# Altium PCB PCB1_done2.PcbDoc (part 2 of 3)
Units mil, origin at the board's own origin, x right, y up, seen from the top; angles counter-clockwise.
Board outline 3550 x 3775.2 mil, 8 copper layers (Top Layer, Top Signal Layer, Vbat-chrg, Internal Plane 1, GND-nBat, Internal Plane 2, Bottom Signal Layer, Bottom Layer), stack 71.302 mil thick; 235 components, 254 nets, 1011 pads, 192 vias.
Unrouted connection lines stored in the file: 5.
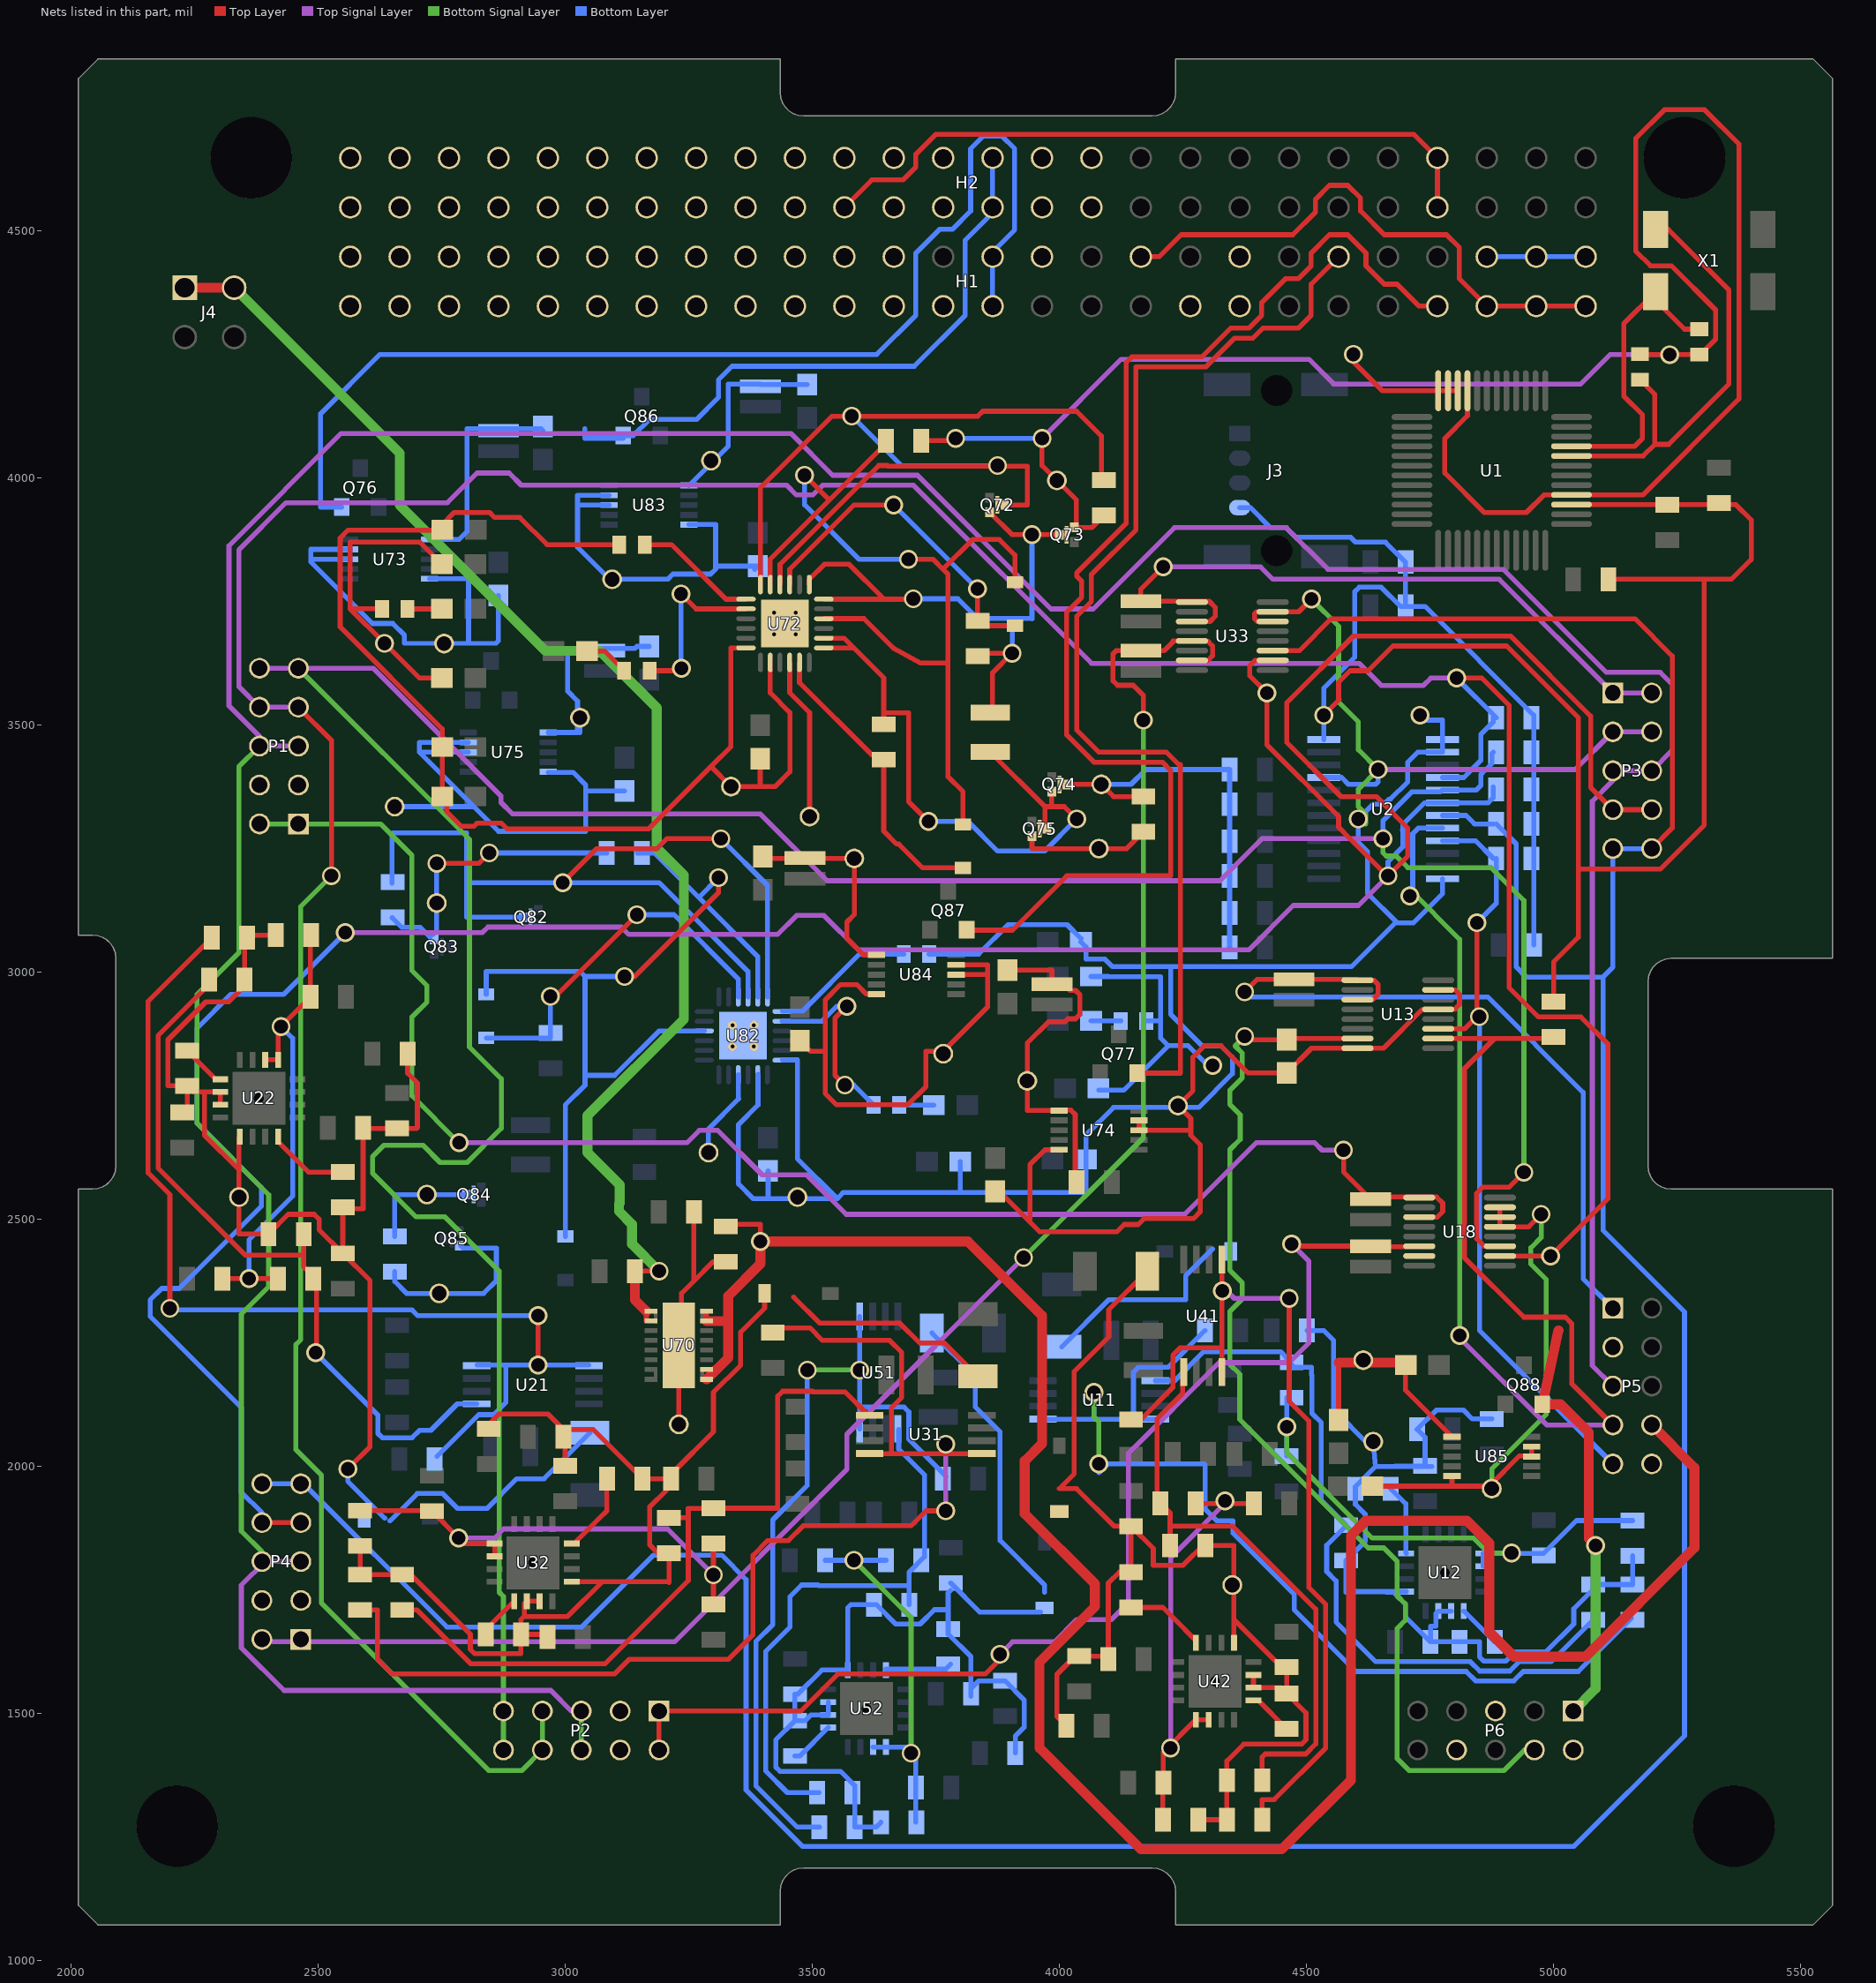
[diagram p8: the nets of this part, all layers, seen from the top]

## Via types
v1: diameter 38, hole 28, Top Layer to Bottom Layer, 183 vias
v2: diameter 17.87, hole 7.87, Top Layer to Bottom Layer, 8 vias
v3: diameter 38, hole 28, Top Layer to Bottom Layer, tented bottom, 1 vias

## Nets (pads, with @x,y where several pads share a name; then routed paths per layer and width w, separated by ;. In a path a pad name is that pad's centre, name@x,y a point inside that pad or via, vN(x,y) a via of type N, cw(c..) or ccw(c..) an arc to the next point about the centre after c; other vN are vias at no path point)
1V: H1.34 H1.47 H1.49 H1.51 | length 1128.4
  Top Layer w10: H1.34@4165,4447.6 4202.03,4447.6 4246.56,4492.13 4472.5,4492.13 4518.27,4537.9 4518.27,4563.84 4546.56,4592.13 4583.44,4592.13 4609.53,4566.04 4609.53,4540.1 4657.5,4492.13 4783.44,4492.13 4809.53,4466.04 4809.53,4403.07 H1.47@4865,4347.6 H1.49@4965,4347.6 H1.51@5065,4347.6
3V3: C73.1 C79.1 H1.48 H1.50 H1.52 J3.4 pad.1@3935,2780 pad.2@4085,3380 pad.3@3494.53,3315 pad.4@3030,3515 Q74.3 Q74.4 R18.2 R72.2 R74.2 R100.2 R101.2 R102.1 R103.1 R112.1 R113.1 R122.1 R123.1 R132.1 R133.1 R142.1 R143.1 R152.1 R153.1 R162.1 R163.1 R172.1 R173.1 R710.2 R711.2 R713.2 R714.2 R716.2 R717.2 U1.10 U1.11 U1.12 U1.39 U2.24 U72.10 U73.1 U74.1 U75.1 | length 8571.3
  Top Layer w10: C73.1@2628.94,3735.47 2564.53,3735.47 ; R74.2@2750.53,3595.47 2704.53,3595.47 v1(2634.53,3665.47) 2564.53,3735.47 ; R72.2@2750.53,3825.47 2706,3870 2564.53,3870 2564.53,3735.47 ; U72.10@3454.37,3626.73 3454.37,3565.63 3494.53,3525.47 pad.3@3494.53,3315 ; R714.2@3895,3004 3985,3004 3985,2973.54 4011.21,2973.54 4021.64,2963.11 4032.55,2963.11 4041.34,2954.32 4041.34,2914.34 4032.55,2905.55 4017.23,2905.55 4011.21,2899.54 3977.97,2899.54 3935,2856.57 3935,2720 U74.1@3999.5,2720 ; U74.1@3999.5,2721 4023.21,2721 4032,2712.21 4032,2577.57 R133.1@4034.57,2575 ; Q74.3@4007.54,3380 Q74.3@4015.08,3380 pad.2@4085,3380 4109.57,3355.43 C79.1@4170,3355.43 ; v1(4534.92,3519.92) 4566.72,3551.72 4565,3553.43 4565,3586.57 4588.43,3610 4621.57,3610 4623.28,3608.28 4675,3660 4905,3660 5050,3515 5050,3070.43 5000,3020.43 R122.1@5000,2945 ; v1(4595,4250) 4595,4235 4653.58,4176.42 U1.12@4766.73,4176.42 U1.11@4786.42,4176.42 U1.10@4806.1,4176.42 ; U1.39@5036.42,3946.1 R100.2@5230,3946.1 ; 5050,3208.46 5215.96,3208.46 5305,3297.5 5305,3795 R101.2@5111,3795 5360,3795 5400,3835 5400,3915 5369,3946 R100.2@5230,3946
  Bottom Layer w10: U73.1@2725.5,3875.47 2785,3875.47 2801,3891.47 2801,4099.47 2951,4099.47 R711.2@2955,4095.47 ; U75.1@2965.5,3485 3025,3485 3025,3548.43 3005,3568.43 3005,3655 3141,3655 3145,3659 R717.2@3170,3659 ; 3030,3485 pad.4@3030,3515 ; pad.2@4085,3380 4145,3380 4175,3410 R162.1@4344.57,3410 R163.1@4344.57,3340 R152.1@4344.57,3265 R153.1@4344.57,3195 R142.1@4344.57,3120 R143.1@4344.57,3050 ; J3.4@4365,3940 4386.72,3940 4427.23,3899.49 4459.06,3899.49 4480.77,3877.78 ; 4480.77,3877.78 4482.8,3879.8 4589.72,3879.8 4599.52,3870 4660,3870 4700,3830 R173.1@4700,3740 ; U2.24@4534.92,3470.75 v1(4534.92,3519.92) 4534.92,3574.49 4598,3637.57 4598,3770.21 4606.79,3779 4651.21,3779 4690.21,3740 R173.1@4700,3740 ; R173.1@4700.43,3740 R173.1@4700,3740 ; H1.48@4865,4447.6 H1.50@4965,4447.6 H1.52@5065,4447.6 ; R132.1@4960.43,3055 4960,3055.43 4960,3520 4740,3740 R173.1@4700,3740
5V: C83.1 C89.1 H1.1 H2.25 H2.26 P6.2 pad.0@3290,2635 pad.0@3295,4035 pad.1@3585,3230 pad.8 Q84.3 Q84.4 R82.2 R84.2 R810.2 R811.2 R813.2 R814.2 U82.10 U83.1 U84.1 | length 1841.4
  Top Layer w10: R814.2@3400,3230 pad.1@3585,3230 3585,3116.57 3570,3101.57 3570,3068.43 3603.43,3035 U84.1@3629.5,3035
  Bottom Layer w10: C89.1@2655.16,2465.43 2655.16,2550 pad.8@2720,2550 Q84.3@2799.92,2550 Q84.3@2806.65,2550 ; U83.1@3250.5,3985 3330,4064.5 3330,4190 R810.2@3394,4190 ; pad.0@3290,2635 3290,2682.78 3351.1,2743.88 ; 3350.32,2744.67 U82.10@3350.32,2792.48 ; R810.2@3395,4189 R811.2@3490,4189 ; R82.2@4064.16,2991.22 4099.09,2991.22 4099.31,2991 4205,2991 4205,2866.38 4220.16,2851.22 ; R84.2@4080,2761.22 4130.16,2761.22 4220.16,2851.22 ; C83.1@4175.75,2901.22 4205,2901.22 ; v1(4310.16,2811.22) 4300.5,2811.22 4260.5,2851.22 4220.16,2851.22
5VEXT: J4.1 J4.4 R70.2 U70.1 U70.2 | length 2832.5
  Top Layer w10: R70.2@3141,2395 v1(3190,2395) ; U70.2@3164.21,2294.45 U70.1@3164.21,2313.9
  Top Layer w20: J4.1@2230,4385 J4.4@2330,4385 ; R70.2@3141,2395 3141,2337.11 U70.1@3164.21,2313.9
  Bottom Signal Layer w20: J4.4@2330,4385 2665,4050 2665,3945 2960,3650 3070,3650 3185.16,3534.84 3185.16,3251.09 3240,3196.25 3240,2905 3045,2710 3045,2635.02 3110.16,2569.86 3110.16,2532.58 3108.8,2531.22 3108.8,2516.22 3135.16,2489.86 3135.16,2449.84 v1(3190,2395)
ACS3.3V: H1.27 H1.28 Q76.2 | length 2364.1
  Bottom Layer w10: Q76.2@2547.6,3941.1 2505,3941.1 2505,4130 2625,4250 3630.37,4250 3709.53,4329.15 3709.53,4455.1 3757.5,4503.07 3783.44,4503.07 3820.47,4540.1 3820.47,4666.04 3846.56,4692.13 3883.44,4692.13 3909.53,4666.04 3909.53,4501.97 3865,4457.44 H1.28@3865,4447.6 H1.27@3865,4347.6
ACS_5V: H2.27 H2.28 Q86.2 | length 1252
  Bottom Layer w10: 3040,4100 3040,4080 Q86.2@3116.97,4080 ; Q86.2@3117.6,4085.63 3137.72,4085.63 3170.44,4118.35 3265.54,4118.35 3310,4162.8 3310,4198.28 3337.72,4226 3706.37,4226 3809.53,4329.15 3809.53,4481.18 3865,4536.65 H2.27@3865,4547.6 H2.28@3865,4647.6
ANTENNA: P6.1 Q88.2 | length 858.4
  Top Layer w20: 5010,2275 Q88.2@4977.4,2125.63 5014.37,2125.63 5071.18,2068.82 5071.18,1853.82 v1(5085,1840)
  Bottom Signal Layer w20: P6.1@5040,1505 5085,1550 v1(5085,1840)
ARRAYNX.1.POS: P2.1 P2.2 R19.1 U18.6 U18.7 | length 2373.2
  Top Layer w10: P2.2@3190,1426.26 P2.1@3190,1505 3476.79,1505 3551.79,1580 3850,1580 3880,1610 v1(3880,1620) ; v1@4470,2445.67 R19.1@4630,2445.67 4631.42,2444.25 U18.6@4728.31,2444.25
  Top Signal Layer w10: v1@3880,1605 v1(3880,1620) 3905,1645 3990,1645 4035,1690 4105,1690 4140,1725 4140,2026.57 4323.43,2210 4465,2210 4505,2250 4505,2415 v1(4470,2450)
ARRAYNX.3.NEG: C1.1 C2.1 C12.2 C14.2 C15.2 C16.1 C17.2 C18.2 C22.2 C24.2 C25.2 C26.1 C27.2 C28.2 C32.2 C34.2 C35.2 C36.1 C37.2 C38.2 C42.2 C44.2 C45.2 C46.1 C47.2 C48.2 C52.2 C54.2 C55.2 C56.1 C57.2 C58.2 C70.2 C72.1 C75.2 C76.2 C79.2 C82.1 C85.2 C86.2 C89.2 Cin1.2 Cin2.2 Cin3.2 Cin4.2 Cin5.2 Cout1.1 Cout2.1 Cout3.1 Cout4.1 Cout5.1 Dout1.2 Dout2.2 Dout3.2 Dout4.2 Dout5.2 H1.2 H1.30 H2.29 H2.30 H2.31 H2.32 P1.3 P1.4 P2.3 P2.4 P3.3 P3.4 P6.5 P6.8 pad.0@3230,2085 pad.0@4080,3250 pad.1@3335.47,3375.47 pad.1@3470,2545 pad.1@3995,3995 pad.2@2740,3140 pad.3@2745,2350 pad.3@3095,3795 pad.4@2755,3665 pad.4@3765,2835 pad.5 pad.6 pad.7 pad.9 pad.13 Q73.2 Q75.2 Q83.2 Q85.2 R12.1 R14.2 R15.2 R16.2 R22.1 R24.2 R25.2 R26.2 R32.1 R34.2 R35.2 R36.2 R42.1 R44.2 R45.2 R46.2 R52.1 R54.2 R55.2 R56.2 R71.1 R73.1 R76.1 R78.1 R79.1 R83.1 R86.1 R88.1 R89.1 R99.2 R712.1 R715.1 R718.1 R812.1 R815.1 R818.1 U1.9 U1.40 U2.1 U2.2 U2.12 U2.21 U12.6 U12.7 U12.9 U13.8 U13.13 U13.15 U18.13 U18.14 U18.15 U22.6 U22.7 U22.9 U32.6 U32.7 U32.9 U33.14 U33.15 U42.6 U42.7 U42.9 U52.6 U52.7 U52.9 U70.17 U72.6 U72.8 U72.25 U73.5 U73.8 U73.9 U74.5 U74.8 U74.9 U75.5 U75.8 U75.9 U82.6 U82.8 U82.25 U83.5 U83.8 U83.9 U84.5 U84.8 U84.9 U85.5 U85.8 U85.9 | length 33774.2
  Top Layer w10: C27.2@2225,2716 2235,2726 C26.1@2235,2769.57 ; U22.7@2302.24,2732 U22.6@2302.24,2757.8 2270,2757.8 ; U22.9@2340.43,2665.82 2340,2665.39 2340,2600 ; C22.2@2351,2985 2351,3064.57 C24.2@2356.43,3070 ; C24.2@2356,3075 C25.2@2414,3075 ; C22.2@2357.5,2978.5 2319,2940 2272.79,2940 2196,2863.21 2196,2770 2234.57,2770 C26.1@2235,2769.57 ; v1(2560,1995) 2605,2040 2605,2376 Cin2.2@2550,2431 ; C35.2@2585,1839 C34.2@2585,1781 2687.43,1781 2808,1660.43 2808,1629.79 2816.79,1621 2910,1621 C36.1@2910,1659.57 ; R26.2@2591,2685 2591,2521 2553,2521 C28.2@2550,2524 Cin2.2@2550,2431 ; R26.2@2592,2684 R25.2@2660,2684 2699,2684 2700.82,2685.82 2700.82,2775.82 2681,2795.65 R24.2@2681,2835 ; v1(2740,3220) 2825,3220 v1(2846.22,3241.22) ; R34.2@2840,2080 2866,2106 2965,2106 R35.2@2996,2075 ; U32.7@2948,1727.24 U32.6@2922.2,1727.24 2917.61,1722.65 2917.61,1697.42 ; C37.2@2964,1660 C36.1@2910.43,1660 C36.1@2910,1659.57 ; R36.2@3000,2016 3000,2071 R35.2@2996,2075 ; U32.9@3013,1766.61 3075,1766.61 ; C72.1@3109.41,3865 2963.28,3865 2908.28,3920 2857.21,3920 2847.21,3930 2775,3930 2751.54,3906.54 R73.1@2751.54,3895 2751.06,3894.53 2560.77,3894.53 2544.53,3878.28 2544.53,3698.9 2751.06,3492.37 R76.1@2751.06,3455.47 R79.1@2751.06,3355.47 2760,3355.47 2760,3325 2790,3295 2815.15,3295 2821.37,3301.22 2871.07,3301.22 2882.29,3290 3169.05,3290 3295,3415.95 ; 3208.82,1766.61 3075,1766.61 ; 3210,1765.43 R32.1@3210,1824.57 3187.43,1824.57 3171,1841 3171,1918.21 3205,1952.21 Cin3.2@3205,1975 ; pad.0@3230,2085 U70.17@3230,2245 ; U70.17@3235.43,2250.43 3235.43,2350.43 3260.43,2375.43 ; R71.1@3260.43,2515 3260.43,2375.43 ; C70.2@3325,2414 3299,2414 3260.43,2375.43 ; U72.6@3365.79,3656.26 3335.31,3656.26 3335.31,3456.26 3295,3415.95 ; R78.1@3394.53,3432.01 3394.53,3375.47 ; Dout3.2@3403.46,2350 3403.46,2320.11 3355,2271.65 3355,2205 3300,2150 3300,2070 3220,1990 3220,1975 Cin3.2@3205,1975 ; U72.8@3415,3626.73 3415,3565 3454.53,3525.47 3454.53,3405.47 3424.53,3375.47 3394.53,3375.47 ; 3462.5,2342.5 3515,2290 3677.01,2290 3717.01,2250 3767.01,2250 Cout3.1@3835,2182.01 ; R815.1@3475,2861.54 3496.54,2840 3525.94,2840 ; U84.5@3629.5,2955.63 3609.37,2955.63 3590,2975 3557.37,2975 3525.94,2943.58 3525.94,2840 ; C76.2@3720.53,4075.47 v1@3790,4075.47 ; U84.8@3791,2995 3855,2995 ; U84.9@3791,3015 3855,3015 3855,2930 3765,2840 3730,2840 3730,2768.43 3693.1,2731.54 3549.38,2731.54 3525.94,2754.97 3525.94,2840 ; R715.1@3870,2556.54 3878.32,2556.54 3959.85,2475 4116.71,2475 4131.21,2489.5 4159.5,2489.5 4171.19,2501.19 4271.19,2501.19 4285,2515 4285,2650.91 4265.94,2669.97 4265.94,2703.1 4266.42,2703.58 pad.5@4240,2730 4270.16,2760.16 4270.16,2827.79 4293.59,2851.22 4326.73,2851.22 4381.95,2796 R99.2@4460,2796 4510.1,2846.1 U13.8@4603.31,2846.1 4656.1,2846.1 4734.84,2924.84 U13.13@4766.69,2924.84 4799.84,2924.84 4810,2935 4810,2955 4800.79,2964.21 U13.15@4766.69,2964.21 ; 3940.63,2495 3940.63,2610.63 3970.63,2640.63 U74.5@3999.5,2640.63 ; Q75.2@3944.49,3275.24 3944.49,3250.51 3945,3250 4136,3250 C79.2@4170,3284 ; v1(3965,4080) 3965,4025 4033.94,3956.06 Q73.2@4033.94,3899.76 ; R44.2@4014,1475 3995,1494 3995,1579.29 4030.71,1615 R45.2@4039,1615 ; Q73.2@4030.51,3899.76 Q73.2@4033.94,3899.76 ; R45.2@4040,1616 R46.2@4088,1616 ; C75.2@4090,3924 4065.76,3899.76 Q73.2@4033.94,3899.76 ; R46.2@4099,1610 4099,1764 4121,1786 C48.2@4145,1786 Cin4.2@4145,1879 ; U74.9@4161,2700 U74.8@4161,2680 4265,2680 ; Cout4.1@4177.99,2395 4100,2317.01 4100,2262.01 4030,2192.01 4030,1985 4000,1955 4035,1955 4111,1879 Cin4.2@4145,1879 ; C45.2@4281,1285 C44.2@4339,1285 C42.2@4339,1365 4339,1404 4373,1438 4490.21,1438 4499,1446.79 4499,1501.43 C46.1@4460,1540.43 C47.2@4460,1594 4449.39,1594 4353.39,1690 ; R42.1@4295.43,1840 4353.39,1840 4353.39,1690 ; R42.1@4295.43,1845 4250.43,1800 4190,1800 4190,1834 Cin4.2@4145,1879 ; U42.9@4353.39,1643 4353.39,1690 ; U42.7@4392.76,1578 U42.6@4392.76,1552.2 C46.1@4448.23,1552.2 ; U33.14@4431.69,3709.53 4400.47,3709.53 4395,3715 4395,3725 4399.21,3729.21 U33.15@4431.69,3729.21 4484.21,3729.21 v1(4510,3755) ; R818.1@4633.46,1960 4870,1960 4931.31,2021.32 4956,2021.32 U85.9@4956,2039 ; 4794.5,1960.5 U85.5@4794.5,1980.63 ; U1.9@4825.79,4176.42 4825.79,4125.79 4780,4080 4780,4010 4860,3930 4945,3930 4980.79,3965.79 U1.40@5036.42,3965.79 ; U18.15@4891.69,2524.21 U18.14@4891.69,2504.53 U18.13@4891.69,2484.84 4949.84,2484.84 v1(4975,2510) ; U1.40@5071.42,3965.79 5180.79,3965.79 5375,4160 5375,4675.73 5305.46,4745.28 5224.54,4745.28 5166.14,4686.88 5166.14,4459.38 5196.11,4429.41 5238.54,4429.41 5328,4339.95 5328,4280.79 5296.62,4249.41 C2.1@5295,4249.41 v1(5235,4249.41) 5176.18,4249.41 C1.1@5175,4250.59 ; C26.1@2235,2769.57 2246.77,2757.8 2270,2757.8 ; 2270,2757.8 2270,2670 2340,2600 ; 2340,2600 pad.5@2340,2545 2340,2470.43 2340.43,2470 R22.1@2399.57,2470 2439.57,2510 2492.21,2510 2502,2500.21 2502,2479 Cin2.2@2550,2431 ; C36.1@2910,1659.57 2910,1689.8 2917.61,1697.42 ; 2917.61,1697.42 2918.79,1696.24 3004.63,1696.24 3075,1766.61 ; R35.2@2996,2075 3056,2075 C38.2@3156,1975 Cin3.2@3205,1975 ; 3295,3415.95 pad.1@3335.47,3375.47 3394.53,3375.47
  Top Signal Layer w10: v1(3965,4080) 4125,4240 4505,4240 4555,4190 5055,4190 5114.41,4249.41 v1(5235,4249.41) ; v1(4645,3410) 5043.74,3410 P3.3@5120,3486.26 P3.4@5198.74,3486.26
  Bottom Signal Layer w10: v1(4510,3755) 4565,3700 4565,3546.41 4605,3506.41 4605,3450 v1(4645,3410) 4605,3370 4605,3335 4620,3320 v1@4620,3300.15 ; v1(4605,3310) v1@4610,3310 ; pad.13@4875,1955 4875,1995 4985,2105 4985,2378.43 4954.21,2409.22 4954.21,2442.36 4975,2463.14 v1(4975,2510)
  Bottom Layer w10: 2485,3835.47 U73.8@2564,3835.47 ; v1(2560,1995) 2560,1970 2635,1895 ; U73.9@2564,3855.47 2485,3855.47 2485,3830.39 2609.92,3705.47 2651.1,3705.47 2674.53,3682.04 2674.53,3665.47 pad.4@2755,3665 ; 2645.3,1889.7 2700.6,1945 2752.28,1945 2782.28,1915 2842.01,1915 2902.01,1975 2957.01,1975 Cout2.1@3050,2067.99 ; C85.2@2650,3110 2669.46,3090.54 2706.67,3090.54 Q83.2@2726.54,3070.67 ; C89.2@2655,2394 2655,2374 2679,2350 2835,2350 2860.67,2375.67 2860.67,2441.46 2794.09,2441.46 Q85.2@2789.09,2446.46 ; pad.6@2655,3335 2815,3335 ; U73.5@2725.5,3796.1 2804.37,3796.1 2804.37,3666.1 pad.4@2755,3665 ; Q83.2@2731.22,3075.35 2740,3084.13 v1(2740,3220) ; U75.8@2804,3445 2705,3445 ; U75.9@2804,3465 2705,3465 2705,3445 ; v1(2846.22,3241.22) C86.2@3084.16,3241.22 ; R712.1@2865,3762.01 2865,3670.47 2860,3665.47 pad.4@2755,3665 ; U75.5@2965.5,3404.32 3015.68,3404.32 3041.54,3378.46 3041.54,3285 2865,3285 2815,3335 ; 3043.07,3366.54 R718.1@3120,3366.54 ; U83.8@3089,3945 3025,3945 ; U83.9@3089,3965 3025,3965 3025,3945 ; U83.5@3250.5,3905.63 3304.37,3905.63 3304.37,3815.63 3294.21,3805.47 3217.96,3805.47 3207.49,3795 3090,3795 3025,3860 3025,3945 ; 3310.28,3821.54 R812.1@3390,3821.54 R812.1@3383.46,3815 ; U82.8@3390.16,2792.95 3390.16,2731.22 3350.63,2691.69 3350.63,2571.69 3380.63,2541.69 3410.63,2541.69 ; R88.1@3410.63,2598.23 3410.63,2541.69 ; U82.6@3439.37,2822.48 3469.84,2822.48 3469.84,2622.48 3550.63,2541.69 ; 3495,1495 3485.43,1485.43 C56.1@3465,1485.43 ; 3497.2,1497.2 U52.6@3532.24,1497.2 U52.7@3532.24,1523 ; R52.1@3624.57,1720 3577.8,1720 3571.61,1713.82 U52.9@3571.61,1588 3519.61,1588 3470.61,1539 C57.2@3465,1539 C56.1@3465,1485.43 ; R52.1@3630,1720 3669,1681 3718.21,1681 3747.21,1710 3775,1710 ; C55.2@3639,1280 3629,1270 C54.2@3586,1270 3586,1354 3557,1383 3434.79,1383 3426,1391.79 3426,1446.43 C56.1@3465,1485.43 ; C82.1@3736.54,3036.54 3836.65,3036.54 3896.34,3096.22 4015.63,3096.22 R83.1@4043.62,3068.23 ; Cout5.1@3742.01,2270 3830,2182.01 3830,2120 3880,2070 3880,1850 3970,1760 3970,1745 ; Cin5.2@3780,1749 3775,1744 3775,1710 ; Cin5.2@3780,1764 3839,1705 Dout5.2@3961.54,1705 ; v1(3790,4080) v1(3965,4080) ; 3799.41,2554.96 R89.1@3799.41,2616.54 ; R56.2@3821,1535 3821,1615 3775,1661 3775,1710 ; R56.2@3821,1550 3837,1566 R55.2@3890,1566 3929,1527 3929,1472.35 3911,1454.35 R54.2@3911,1420 ; Cout1.1@4005,2242.01 4100.2,2337.2 4255.64,2337.2 4255.64,2385.64 4310,2440 ; R83.1@4043.62,3061.22 4053.62,3051.22 4053.62,3026.22 4092.37,3026.22 4107.59,3011 4591,3011 4680,3100 4716.57,3100 4775.08,3158.51 U2.12@4775.08,3189.25 ; 4225,3011 4225,2915 4288.78,2851.22 4326.73,2851.22 4350.16,2827.79 4350.16,2794.65 4281.73,2726.22 4109.55,2726.22 4053.62,2670.29 R86.1@4053.62,2621.22 4053.62,2551.62 4049.8,2554.37 3562.61,2554.37 3550.63,2541.69 ; Cin1.2@4501,2275 4535,2275 4555,2255 4555,2115 4625,2045 pad.7@4635,2050 4640,2000 ; U2.21@4534.92,3393.98 4571.02,3393.98 4585,3380 4640,3380 4645,3385 v1(4645,3410) ; 4580,1745.43 R12.1@4580,1809.57 4619,1848.57 4619,1903.21 4599,1923.21 C18.2@4599,1955 4599,1959 4640,2000 ; 4580,1746.61 U12.9@4702,1746.61 ; v1@4605,3305 4605,3262.9 4623.39,3244.51 4623.39,3160.05 4683.43,3100 ; v1@4610,3310 v1(4605,3310) 4633.94,3338.94 4633.94,3340 4656.57,3340 4666.57,3350 4669.85,3350 4705,3385.15 4705,3425 4725.16,3445.16 U2.2@4775.08,3445.16 U2.1@4775.08,3470.75 4775.08,3509.92 v1@4745.08,3509.92 ; 4660,1746.61 4661.61,1745 4676.57,1745 4700,1721.57 4700,1696 C17.2@4751,1645 ; 4680,2001 R16.2@4740,2001 4740,2059 R15.2@4724,2075 4763,2114 4817.65,2114 4835.65,2096 R14.2@4875,2096 ; R16.2@4754,2000 4640,2000 ; U12.6@4792.8,1707.24 U12.7@4767,1707.24 4762,1702.24 4762,1676.24 4751,1676.24 C17.2@4751,1645 ; C15.2@5160,1819 C14.2@5160,1761 5090.22,1761 5041,1711.78 5041,1681 4985,1625 4922.21,1625 4903.21,1606 4858.79,1606 4850,1614.79 4850,1645 C16.1@4809.57,1645 C17.2@4751,1645 ; 2705,3445 2815,3335 ; 3410.63,2541.69 3550.63,2541.69
  other v1: 4730,3520
  other v2: 3338.5,2849.57 3381.81,2849.57 3338.5,2892.87 3381.81,2892.87 3422.87,3683.82 3466.18,3683.82 3422.87,3727.13 3466.18,3727.13
ARRAYNX.5.VDD: P1.5 P1.6 P2.5 P2.6 P3.5 P3.6 P4.5 P4.6 P5.5 | length 8316.3
  Top Signal Layer w10: P4.6@2386.26,1807.48 P4.6@2392.48,1807.48 ; P1.5@2460,3457.48 P1.6@2381.26,3457.48 2381.26,3477.43 2319.68,3539 2319.68,3862.97 2546.72,4090 3456.57,4090 3541.1,4005.47 3712.81,4005.47 3983.28,3735 4068.43,3735 4232.92,3899.49 4459.06,3899.49 4543.55,3815 4898.28,3815 5106.71,3606.57 5215.96,3606.57 5240.31,3582.22 5240.31,3449.09 P3.6@5198.74,3407.52 P3.5@5120,3407.52 5120,3387.57 5078.43,3346 5078.43,2204.09 P5.5@5120,2162.52 ; P4.5@2465,1807.48 P4.6@2392.48,1807.48 ; P2.5@3032.52,1505 3012.57,1505 2971,1546.57 2430.89,1546.57 2344.68,1632.78 2344.68,1759.68 P4.6@2392.48,1807.48
  Bottom Signal Layer w10: P1.6@2381.26,3457.48 2339.68,3415.91 2339.68,3039.68 2255,2955 2255,2694.43 2400,2549.43 2400,2363.43 2344.68,2308.12 2344.68,1869 2386.26,1827.42 P4.6@2386.26,1807.48 ; P2.6@3032.52,1426.26 P2.5@3032.52,1505
ARRAYNX.7.SDA: P1.7 P1.8 P2.7 P2.8 R102.2 U2.4 U18.10 | length 7547.9
  Top Layer w10: P1.7@2460,3536.22 2526.89,3469.33 v1(2526.89,3195) ; v1(4804,3595) 4855,3595 4910,3540 4910,2969.22 4969.79,2909.43 5055.57,2909.43 5110,2855 5110,2541.57 v1(4994.21,2425.79) U18.10@4891.69,2425.79
  Top Signal Layer w10: P1.7@2460,3536.22 P1.8@2381.26,3536.22 2339.68,3577.8 2339.68,3854.68 2435,3950 2761.57,3950 2821.57,4010 2886.57,4010 2911.1,3985.47 3447.96,3985.47 3467.96,3965.47 3501.1,3965.47 3521.1,3985.47 3704.53,3985.47 4065,3625 4606.57,3625 4651.57,3580 4736.57,3580 4751.57,3595 v1(4804,3595)
  Bottom Signal Layer w10: v1(2526.89,3195) 2465,3133.11 2465,2256.57 2455,2246.57 2455,2033.76 2506.57,1982.18 2506.57,1723.43 2845.32,1384.68 2912.2,1384.68 P2.8@2953.78,1426.26 P2.7@2953.78,1505
  Bottom Layer w10: U2.4@4775.08,3393.98 4818.48,3393.98 4853,3428.5 4853,3481.21 4878,3506.21 R102.2@4878,3515 ; v1(4804,3595) R102.2@4884,3515
ARRAYNX.9.SCL: P1.9 P1.10 P2.9 P2.10 R103.2 U2.5 U18.11 | length 6770.9
  Top Layer w10: U18.11@4891.69,2445.47 4859.53,2445.47 4844.21,2460.79 4844.21,2552.56 4856.46,2564.8 4909.8,2564.8 v1(4940,2595)
  Top Signal Layer w10: P1.10@2381.26,3614.96 P1.9@2460,3614.96 2611.61,3614.96 2870,3356.57 2870,3343.43 2893.43,3320 3395,3320 3530,3185 4325,3185 4410,3270 v1(4655,3270)
  Bottom Signal Layer w10: P1.9@2460,3614.96 2806.22,3268.74 2806.22,2848.59 2870.67,2784.14 2870.67,2684.1 2801.57,2615 2746.92,2615 2711.92,2650 2633.43,2650 2610,2626.57 2610,2593.43 2698.43,2505 2756.57,2505 2866.5,2395.07 2866.5,1745.29 2875.04,1736.75 P2.9@2875.04,1505 P2.10@2875.04,1426.26 ; v1(4655,3270) 4655,3241.57 4661.57,3235 4681.57,3235 4705,3211.57 4873.43,3211.57 4940,3145 v1(4940,2595)
  Bottom Layer w10: v1@4665,3260 v1@4665,3275 ; v1@4666.57,3276.57 4655,3288.14 4655,3306.86 4712.82,3364.68 4771.38,3364.68 U2.5@4775.08,3368.39 4843.39,3368.39 4853,3378 4853,3400.21 4861.79,3409 4862.28,3409 4875,3421.72 4875,3442 R103.2@4878,3445
ARRAYNY.1.POS: P4.1 P4.2 R9.1 U33.5 U33.7 | length 3536.2
  Top Layer w10: v1@4170,3525 4170,3560 4149.45,3580.55 4117.45,3580.55 4108.66,3589.34 4108.66,3644.33 4115,3650.67 R9.1@4165,3650.67 4212.36,3650.67 4231.54,3669.84 4230,3669.84 4230.31,3670.16 U33.5@4268.31,3670.16 4299.84,3670.16 4310,3660 4310,3640 4300.79,3630.79 U33.7@4268.31,3630.79
  Top Signal Layer w10: P4.2@2391.26,1645 3221.07,1645 3570,1993.93 3570,2065 v1(3927.5,2422.5)
  Bottom Signal Layer w10: v1(3927.5,2422.5) 4170,2665 v1(4170,3510)
ARRAYNY.3.NEG: P4.3 P4.4
ARRAYNY.7.SDA: P3.7 P3.8 P4.7 P4.8 R112.2 U2.6 U33.10 | length 6421.4
  Top Layer w10: P4.8@2386.26,1886.22 P4.7@2465,1886.22 ; U33.10@4431.69,3630.79 4395.79,3630.79 4385,3620 4385,3600 v1(4420,3565) 4420,3460 4565,3315 4565,3293.43 4588.43,3270 4664.22,3194.22 v1(4665,3195) 4705,3235 4705,3291.57 4641.57,3355 4570,3355 4460,3465 4460,3545 4595,3680 4913.28,3680 5075,3518.28 5075,3373.78 P3.7@5120,3328.78 P3.8@5198.74,3328.78
  Top Signal Layer w10: v1(2555,3080) 2832.37,3080 2843.59,3091.22 3113.59,3091.22 3128.59,3076.22 3429.65,3076.22 3468.43,3115 3523.43,3115 3593.43,3045 4383.43,3045 4473.43,3135 4605,3135 v1(4665,3195)
  Bottom Layer w10: P4.8@2386.26,1886.22 2386.26,1906.17 2344.68,1947.74 2344.68,2118.75 2160,2303.43 2160,2336.57 2183.43,2360 2218.64,2360 2385,2526.36 2385,2564.43 2255,2694.43 2255,2886.57 2323.43,2955 2430,2955 v1(2555,3080) ; v1(4665,3195) 4665,3223.43 4695,3253.43 4695,3286.57 4694.14,3287.43 4695,3288.28 4695,3298.69 4706.44,3310.13 4739.1,3342.8 U2.6@4775.08,3342.8 4867.8,3342.8 4878,3353 R112.2@4878,3375
ARRAYNY.9.SCL: P3.9 P3.10 P4.9 P4.10 R113.2 U2.7 U33.11 | length 7469.6
  Top Layer w10: U33.11@4431.69,3650.47 4485.47,3650.47 4550,3715 5165,3715 5240.31,3639.68 5240.31,3291.61 P3.10@5198.74,3250.04
  Bottom Layer w10: P4.10@2386.26,1964.96 P4.9@2465,1964.96 2470.79,1964.96 2760.76,1675 3033.43,1675 3178.93,1820.5 3316.57,1820.5 3366,1771.07 3366,1345.28 3480.28,1231 5041,1231 5265,1455 5265,2312.54 5100,2477.54 5100,2990 ; U2.7@4775.08,3317.2 4822.8,3317.2 4840,3300 R113.2@4878,3300 ; R113.2@4884,3300 4924.43,3259.57 4924.43,3010.57 4945,2990 5100,2990 ; P3.10@5198.74,3250.04 P3.9@5120,3250.04 5120,3010 5100,2990
ARRAYNZ.1.POS: P5.1 R1.1 U13.1 U13.3 | length 1581.3
  Top Layer w10: v1(4375,2960) 4400.67,2985.67 R1.1@4475,2985.67 4602.76,2985.67 U13.1@4603.31,2985.12 ; U13.3@4603.31,2944.53 4634.53,2944.53 4645,2955 4645,2975 4636.1,2983.9 U13.1@4603.31,2983.9
  Bottom Layer w10: v1(4375,2960) 4385,2950 4866.57,2950 5060,2756.57 5060,2380 P5.1@5120,2320
ARRAYNZ.3.NEG: P5.3
ARRAYNZ.7.SDA: P5.7 R122.2 U2.8 U13.10 | length 2751
  Top Layer w10: U13.10@4766.69,2865.79 R122.2@5000,2865.79 ; 4880.79,2865.79 4820,2805 4820,2421.66 4939.75,2301.9 5023.85,2301.9 5036.9,2288.85 5036.9,2166.88 P5.7@5120,2083.78
  Top Signal Layer w10: v1@4708.52,3168.05 4708.52,3154.77 v1(4709.07,3154.22) ; v1@4810,2260 4986.22,2083.78 P5.7@5120,2083.78
  Bottom Signal Layer w10: v1@4708.52,3168.05 4810,3066.57 v1(4810,2265)
  Bottom Layer w10: v1@4705,3154.22 4715,3164.22 4715,3280 4726.61,3291.61 U2.8@4775.08,3291.61
ARRAYNZ.8.NC: C70.1 H2.21 H2.45 H2.46 P5.8 U70.9 U70.10 U70.15 U70.16 | length 6086.9
  Top Layer w10: U70.15@3286.1,2294.21 U70.16@3286.1,2313.9 ; C70.1@3325,2485.43 3329.57,2490 3395,2490 v1(3395,2455) ; H2.21@3565,4547.6 3620.47,4603.07 3683.44,4603.07 3709.53,4629.15 3709.53,4655.1 3749.43,4695 4717.6,4695 H2.46@4765,4647.6 H2.45@4765,4547.6
  Top Layer w20: U70.9@3286.1,2176.1 3330,2220 3330,2345 3395,2410 v1(3395,2455) 3815,2455 3965,2305 3965,2046.19 3930,2011.19 3930,1904.13 4071.89,1762.24 4071.89,1716.18 3959.71,1603.99 3959.71,1430.29 4165,1225 4450,1225 4590,1365 4590,1860 4620,1890 4825,1890 4870,1845 4870,1665 4920,1615 5065,1615 5285,1835 5285,1997.52 P5.8@5198.74,2083.78 ; U70.15@3286.1,2294.21 3329.21,2294.21
ARRAYNZ.9.SCL: P5.9 R123.2 U2.9 U13.11 | length 1559.3
  Top Layer w10: U13.11@4766.69,2885.47 4820.47,2885.47 4845,2910 v1(4845,3100)
  Bottom Layer w10: U2.9@4775.08,3266.02 4841.98,3266.02 R123.2@4878,3230 ; v1(4845,3100) 4884,3139 R123.2@4884,3230 ; v1(4850,2910) 4850,2275.04 P5.9@5120,2005.04
ARRAYNZ.10.COM: C75.1 C85.1 P5.10 pad.14 Q72.3 Q72.4 Q82.3 Q82.4 R816.2 R817.2 U72.22 U72.24 U82.22 U82.24 U85.1 | length 4545.2
  Top Layer w10: v1(2995,3181.22) 3063.78,3250 3185.62,3250 3205.62,3270 v1(3315,3270) ; U72.24@3395.31,3784.21 3395.31,3980.31 3540,4125 v1(3580,4125) 3835,4125 3845,4135 4035,4135 4085,4085 4085,4000.43 C75.1@4090,3995.43 ; U72.22@3434.68,3784.21 3434.68,3825.32 3634.53,4025.16 3652.01,4025.16 ; 3653.11,4024.06 3935,4024.06 3935,3945.47 Q72.3@3889.61,3945.47 Q72.3@3882.07,3945.47 ; R817.2@4565,2094 4565,2210 ; R816.2@4694,2210 4700,2204 4700,2154.5 U85.1@4794.5,2060
  Top Layer w20: 4565,2210 R816.2@4694,2210
  Bottom Layer w10: C85.1@2649.82,3180 2649.82,3279.82 2651.54,3281.54 2800.16,3281.54 2800.16,3181.22 ; Q82.3@2922.62,3111.22 2800.16,3111.22 2800.16,3181.22 ; v1(3315,3270) 3409.37,3175.63 U82.24@3409.37,2949.96 ; U82.22@3370,2949.96 3370,3001.38 3190.16,3181.22 v1(2995,3181.22) 2800.16,3181.22 ; v1(3580,4125) 3680,4025 v1(3875,4025)
ARRAYX.1.POS: P1.1 P1.2 R3.1 U18.1 U18.3 | length 3262
  Top Layer w10: v1(4575,2640) 4575,2595.67 R3.1@4630,2540.67 4634.45,2545.12 4763.54,2545.12 4775.79,2532.87 4775.79,2515.55 4764.76,2504.53 U18.3@4728.31,2504.53
  Top Signal Layer w10: v1(2785,2655) 3246.36,2655 3271.36,2680 3308.64,2680 3398.64,2590 3488.64,2590 3568.64,2510 4253.43,2510 4398.43,2655 4516.57,2655 4531.57,2640 v1(4575,2640)
  Bottom Signal Layer w10: P1.2@2381.26,3300 P1.1@2460,3300 2626.36,3300 2690,3236.36 2690,3002.95 2720.16,2972.79 2720.16,2939.65 2690,2909.49 2690,2750 v1(2785,2655)
ARRAYY.1.POS: P3.1 P3.2 R115.1 U33.1 U33.3 | length 1407.8
  Top Layer w10: v1(4210,3820) 4165,3775 R115.1@4165,3750.67 4302.99,3750.67 4315.79,3737.87 4315.79,3720.55 4304.76,3709.53 U33.3@4268.31,3709.53
  Top Signal Layer w10: v1(4210,3820) 4407.04,3820 4432.04,3795 4890,3795 P3.1@5120,3565 P3.2@5198.74,3565
"CTS MHX": H1.35
DIR-X: H2.12
DIR-Y: H2.11
DIR-Z: H2.9
"DSR MHX": H1.37
"DTR MHX": H1.38
FAULT: H1.25
FIPEX_3.3V: H1.42 Q77.2 | length 2274.8
  Top Layer w10: Q77.2@4157.4,2795.63 4245,2795.63 4245,3420 4241.62,3420 4216.62,3445 4080,3445 4035,3490 4035,3720.15 4065,3750.15 4065,3805 4155,3895 4155,4225 4296.72,4225 4354.79,4283.07 4391.73,4283.07 4411.73,4303.07 4483.44,4303.07 4509.53,4329.15 4509.53,4392.13 H1.42@4565,4447.6
FIPEX_5V: H1.45 Q87.2 | length 2564.5
  Top Layer w10: Q87.2@3813.03,3085 3905,3085 4015,3195 4225,3195 4225,3408.33 4208.33,3425 4070,3425 4015,3480 4015,3728.43 4045,3758.43 4045,3791.57 4035,3801.57 4035,3807.79 4135,3907.79 4135,4233.28 4146.72,4245 4288.43,4245 4346.53,4303.1 ; 4346.56,4303.07 4383.44,4303.07 4409.53,4329.15 4409.53,4355.1 4457.5,4403.07 4483.44,4403.07 4509.53,4429.15 4509.53,4455.1 4546.56,4492.13 4583.44,4492.13 4620.47,4455.1 4620.47,4429.15 4657.5,4392.13 4683.44,4392.13 4727.97,4347.6 H1.45@4765,4347.6
FPXRTN: P6.4 R99.1 U13.7 | length 2233
  Top Layer w10: v1(4375,2870) 4381.54,2863.46 R99.1@4460,2863.46 4462.32,2865.79 U13.7@4603.31,2865.79
  Bottom Signal Layer w10: v1(4375,2870) 4355.62,2850.62 4370.16,2836.07 4370.16,2786.37 4345,2761.21 4345,2732.33 4365.94,2711.39 4365.94,2661.68 4345,2640.74 4345,2396.57 4370,2371.57 4370,2338.43 4345,2313.43 4345,2206.57 4365,2186.57 4365,2095 4625,1835 4656.57,1835 4683.46,1808.1 4683.46,1738.1 4700,1721.57 4700,1688.43 4683.46,1671.9 4683.46,1409.04 4707.82,1384.68 4899.74,1384.68 4941.32,1426.26 P6.4@4961.26,1426.26
IO0: H1.24
IO1: H1.23
IO2: H1.22
IO3: H1.21
IO4: H1.20
IO5: H1.19
IO6: H1.18
IO7: H1.17
IO8: H1.16
IO9: H1.15
IO10: H1.14
IO11: H1.13
IO12: H1.12
IO13: H1.11
IO14: H1.10
IO15: H1.9
IO16: H1.8
IO17: H1.7
IO18: H1.6
IO19: H1.5
IO20: H1.4
IO21: H1.3
IO24: H2.24
IO25: H2.23
IO26: H2.22
IO28: H2.20
IO29: H2.19
IO30: H2.18
IO31: H2.17
IO32: H2.16
IO33: H2.15
IO34: H2.14
IO35: H2.13
IO38: H2.10
IO40: H2.8
IO41: H2.7
IO42: H2.6
IO43: H2.5
IO44: H2.4
IO45: H2.3
IO46: H2.2
IO47: H2.1
NetC1_2: C1.2 U1.44 X1.4 | length 878
  Top Layer w10: U1.44@5071.42,4044.53 5181.47,4044.53 5205,4068.05 ; C1.2@5173.38,4199 C1.2@5175,4199 5205,4169 5205,4068.05 ; X1.4@5206.73,4502.99 5232.01,4502.99 5355,4380 5355,4190 5233.06,4068.05 5205,4068.05
NetC2_2: C2.2 U1.45 X1.1 | length 584.4
  Top Layer w10: U1.45@5071.42,4064.21 5164.21,4064.21 ; 5164.53,4064.53 5180,4080 5180,4127.72 5142,4165.72 5142,4312.28 X1.1@5206.73,4377.01 5206.73,4359.27 5265,4301 C2.2@5295,4301
NetC12_1: C12.1 R11.1 R12.2 U11.5 | length 1526.9
  Bottom Layer w10: U11.5@4194,2173.39 4233.39,2173.39 4292,2232 4448,2232 4460,2220 4460,2215.43 4474.43,2201 4510,2201 4510,2185 ; 4511,2185 4511,2107.35 4530,2088.35 4530,1931 R12.2@4580,1881 ; R12.2@4580,1879.57 4541,1840.57 4541,1787.35 4560,1768.35 4560,1685 4640,1605 4831.5,1605 4850.5,1586 4911.5,1586 4930.5,1605 4995.43,1605 C12.1@5080,1689.57
NetC14_1: C14.1 R13.1 U11.1 U11.8 | length 2129
  Bottom Signal Layer w10: v1(4070,2150) 4070,2100 4080,2090 v1(4080,2005)
  Bottom Layer w10: U11.1@3967.81,2095 4065,2095 ; v1(4070,2150) 4070,2100 4065,2095 ; v1(4080,2005) 4080,1987.13 4097.87,2005 4293.35,2005 4295,2003.35 4295,1913.43 4318.43,1890 4351.57,1890 4351.57,1865 4475,1741.57 4475,1710 4600,1585 4823.22,1585 4842.22,1566 4919.78,1566 4938.78,1585 5050,1585 C14.1@5157.28,1692.28 ; U11.8@4193,2095 4150,2095 ; R13.1@4294.57,2275 4219.95,2200.39 4159.79,2200.39 4150,2190.6 4150,2095 ; 4065,2095 4150,2095
NetC15_1: C15.1 R11.2 Rf12.1 Rs1.2 U12.1 U12.2 | length 1065
  Bottom Signal Layer w10: v1(4460,2080) 4460,2028.28 4633.28,1855 4838.21,1855 4839.71,1853.5 ; 4840,1853.5 4839.71,1853.5 ; v1(4915,1825) 4868.21,1825 4839.71,1853.5
  Bottom Layer w10: Rs1.2@4460,2021 v1(4460,2080) R11.2@4460,2139 ; U12.2@4857.76,1798 U12.1@4857.76,1824 4980,1824 5046.43,1890.43 C15.1@5160,1890.43
NetC16_2: C16.2 U12.5 | length 88.4
  Bottom Layer w10: U12.5@4818.39,1707.24 4818.76,1707.24 C16.2@4881,1645
NetC18_1: C18.1 U12.12 | length 144.1
  Bottom Layer w10: C18.1@4670.43,1955 4701,1924.43 4701,1825 U12.12@4702,1824
NetC22_1: C22.1 R21.1 R22.2 U21.5 | length 1493
  Top Layer w10: C22.1@2284.57,2985 2289.5,2985 2176,2871.5 2176,2604 2352.22,2427.78 2471,2427.78 ; R22.2@2471,2470 2471,2427.78 ; R21.1@2490,2385 2471,2404 2471,2427.78 ; R21.1@2492.93,2377.07 2497,2373 v1@2497,2227
  Bottom Layer w10: v1(2495,2230) 2621,2104 2621,2066.79 2629.79,2058 2690.21,2058 2705.21,2073 2728,2073 2781.61,2126.61 U21.5@2821,2126.61
NetC24_1: C24.1 R23.1 U21.1 U21.8 | length 2162.1
  Top Layer w10: v1@2200,2316.43 2200,2550 2156,2594 2156,2941 C24.1@2285,3070 ; v1(2945,2205) v1(2945,2305)
  Bottom Layer w10: v1(2200,2320) 2203.57,2316.43 2690.21,2316.43 2701.65,2305 v1(2945,2305) ; R23.1@2740.43,2020 2825.05,2104.61 2855.21,2104.61 2880,2129.4 2880,2205 ; U21.8@2822,2205 2880,2205 ; U21.1@3047.19,2205 v1(2945,2205) 2880,2205
NetC25_1: C25.1 R21.2 Rf22.1 Rs2.2 U22.1 U22.2 | length 976.8
  Top Layer w10: Rs2.2@2305,2380 2370,2380 R21.2@2420,2380 ; U22.2@2393,2822.76 U22.1@2419,2822.76 2419,2884.43 Rf22.1@2484.57,2950 C25.1@2484.57,3075
  Bottom Layer w10: v1(2360,2380) 2360,2458.43 2448.5,2546.93 2448.5,2866.5 v1(2425,2890)
NetC26_2: C26.2 U22.5 | length 91.1
  Top Layer w10: C26.2@2235,2841 2292.61,2783.39 U22.5@2302.24,2783.39
NetC28_1: C28.1 U22.12 | length 166.5
  Top Layer w10: U22.12@2419,2667 2419,2657 2460,2616 2480.57,2595.43 C28.1@2550,2595.43
NetC32_1: C32.1 R31.1 R32.2 U31.5 | length 1476.7
  Top Layer w10: C32.1@2690,1709.57 2699.94,1709.57 2808.5,1601 3081,1601 3249,1769 3249,1896 ; R32.2@3210,1896 3249,1896 ; U31.5@3616,2103.39 3613.76,2103.39 3566.15,2151 3501.21,2151 3500.21,2152 3439.79,2152 3430,2142.21 3430,1915.43 R31.1@3300,1915.43 3299.57,1915 3249,1915 3249,1896
NetC34_1: C34.1 R33.1 U31.1 U31.8 | length 2397
  Top Layer w10: C34.1@2585,1709.57 2620,1709.57 2620,1610 2650,1580 3100,1580 ; 3101,1581 3129.57,1609.57 3330,1609.57 3380,1659.57 ; 3380,1660 3380,1820 3410,1850 3451.65,1850 3481.65,1880 3700,1880 3730,1910 v1(3770,1910) ; R33.1@3425,2280.43 3495.17,2280.43 3520.6,2255 3656.71,2255 3681,2230.71 3681,2139.29 3660,2118.29 3660,2026 ; U31.8@3616,2026 3660,2026 ; v1(3770,2045) 3770,2026 ; U31.1@3843.19,2026 3770,2026 ; 3660,2026 3770,2026
  Top Signal Layer w10: v1(3770,1910) v1(3770,2045)
NetC35_1: C35.1 R31.2 Rf32.1 Rs3.2 U32.1 U32.2 | length 1010.4
  Top Layer w10: C35.1@2585,1910.43 2729.13,1910.43 Rf32.1@2730,1909.57 v1(2784.57,1855) 2795.57,1844 U32.1@2857.24,1844 U32.2@2857.24,1818 ; Rs3.2@3300,1721 v1(3300,1780.5) R31.2@3300,1844
  Top Signal Layer w10: v1(2784.57,1855) 2856.79,1855 2875.29,1873.5 3207,1873.5 v1(3300,1780.5)
NetC36_2: C36.2 U32.5 | length 91.1
  Top Layer w10: C36.2@2839,1660 2839,1669.63 U32.5@2896.61,1727.24
NetC38_1: C38.1 U32.12 | length 163.6
  Top Layer w10: U32.12@3013,1844 3018,1844 3069,1895 3084.57,1910.57 C38.1@3084.57,1975
NetC42_1: C42.1 R41.1 R42.2 U41.5 | length 1184.8
  Top Layer w10: R42.2@4224,1840 4224,1906 4198,1932 4198,2096.28 4249.61,2147.9 U41.5@4249.61,2189 ; 4224,1879 4351,1879 4519,1711 4519,1438.5 4498.5,1418 4416.36,1418 4410.43,1412.07 C42.1@4410.43,1365
NetC44_1: C44.1 R43.1 U41.1 U41.8 | length 1804.1
  Top Layer w10: R43.1@4145,2094.87 4164.87,2094.87 4229.61,2159.61 4229.61,2225.21 4244.4,2240 4329,2240 ; U41.8@4329,2191 4329,2240 ; U41.1@4329,2418.19 4329,2240 ; C44.1@4410.43,1285 4410.43,1326 4434.78,1326 4539,1430.22 4539,1721 4505,1755 4505,2091.57 4465,2131.57 v1(4465,2340)
  Top Signal Layer w10: v1(4330,2355) 4339,2355 4354,2340 v1(4465,2340)
NetC45_1: C45.1 R41.2 Rf42.1 Rs4.2 U42.1 U42.2 | length 915.1
  Top Layer w10: C45.1@4209.57,1285 Rf42.1@4209.57,1359.13 ; Rf42.1@4210.43,1360 4210.43,1421.68 U42.1@4276,1487.24 U42.2@4302,1487.24 ; R41.2@4280,1925 4335,1925 Rs4.2@4394,1925 Rs4.2@4395,1925
  Top Signal Layer w10: v1(4225,1430) 4225,1815 4335,1925 v1(4335,1930)
NetC46_2: C46.2 U42.5 | length 91.1
  Top Layer w10: U42.5@4392.76,1526.61 4402.39,1526.61 C46.2@4460,1469
NetC48_1: C48.1 U42.12 | length 163.6
  Top Layer w10: C48.1@4145,1714.57 4209.43,1714.57 4230,1694 4276,1648 U42.12@4276,1643
NetC52_1: C52.1 R51.1 R52.2 U51.5 | length 1139.3
  Bottom Layer w10: C52.1@3514.07,1340 3449.5,1340 3406,1383.5 3406,1626 3455,1675 3455,1736.57 3478.43,1760 3511.57,1760 3512.57,1759 3696,1759 ; U51.5@3675,2074.39 3675,2035 3727,1983 3727,1817 3696,1786 3696,1759 ; R52.2@3696,1720 3696,1759
NetC54_1: C54.1 R53.1 U51.1 U51.8 | length 1645
  Bottom Signal Layer w10: v1(3490,2195) v1(3596,2195)
  Bottom Layer w10: v1(3490,2195) 3490,1961.65 3420,1891.65 3420,1680 3386,1646 3386,1353.57 3469.57,1270 C54.1@3514.57,1270 ; U51.8@3596,2076 3596,2120 ; U51.1@3596,2303.19 v1(3596,2195) 3596,2120 ; R53.1@3770,1980.43 3695.39,2055.05 3695.39,2110.21 3685.6,2120 3596,2120
NetC55_1: C55.1 R51.2 Rf52.1 Rs5.2 U52.1 U52.2 | length 783
  Bottom Signal Layer w10: v1(3584.25,1810) 3700,1694.25 v1(3700,1420)
  Bottom Layer w10: Rs5.2@3526,1810 v1(3584.25,1810) R51.2@3649,1810 ; U52.2@3623,1432.24 U52.1@3649,1432.24 3687.76,1432.24 v1(3700,1420) ; C55.1@3709.57,1280 v1@3709.57,1420
NetC56_2: C56.2 U52.5 | length 91.1
  Bottom Layer w10: C56.2@3465,1414 3474.63,1414 U52.5@3532.24,1471.61
NetC58_1: C58.1 U52.12 | length 135.3
  Bottom Layer w10: U52.12@3649,1589.57 3769.57,1589.57 C58.1@3780,1600
NetC72_2: C72.2 U72.1 | length 250.5
  Top Layer w10: C72.2@3161,3865 3215,3865 3325.31,3754.69 U72.1@3365.79,3754.69
NetC73_2: C73.2 R75.2 | length 69.1
  Top Layer w10: C73.2@2681,3735 R75.2@2750.05,3735
NetC74_1: C74.1 R77.2 | length 92
  Top Layer w10: R77.2@3044,3650 3079.41,3650 C74.1@3119.41,3610
NetC74_2: C74.2 U72.2 | length 374.8
  Top Layer w10: C74.2@3171,3610 3225.05,3610 3230.05,3615 v3(3235,3615) ; v1(3234.53,3765.47) 3265,3735 U72.2@3365.79,3735
  Bottom Layer w10: v1(3234.53,3765.47) 3234.53,3625.47 3245,3615 v3(3235,3615)
NetC76_1: C76.1 D72.2 D73.2 U72.16 U72.23 | length 1914.8
  Top Layer w10: U72.23@3415,3784.21 3415,3835.94 3534.76,3955.71 ; v1(3484.53,4005.47) 3534.29,3955.71 3534.76,3955.71 ; U72.16@3523.27,3715.32 3604.68,3715.32 3664.53,3655.47 3719.53,3625.47 3774.53,3625.47 ; C76.1@3654.53,4075.47 3534.76,3955.71 ; v1(3694.53,3835.47) 3744.53,3835.47 3764.53,3815.47 ; D73.2@3805,3298.9 3805,3365 3774.53,3395.47 3774.53,3625.47 ; D72.2@3910,3788.9 3910,3843.9 3878.43,3875.47 3824.53,3875.47 3764.53,3815.47 ; 3764.53,3815.47 3774.53,3805.47 3774.53,3625.47
  Bottom Layer w10: v1(3484.53,4005.47) 3484.53,3945.47 3594.53,3835.47 3684.53,3835.47 v1@3694.53,3845.47
NetC77_1: C77.1 D72.1 U72.21 | length 685.5
  Top Layer w10: U72.21@3454.37,3784.21 3454.37,3815.32 3584.53,3945.47 v1(3664.53,3945.47) ; v1(3834.53,3775.47) 3834.53,3701.06 D72.1@3910,3701.1
  Bottom Layer w10: v1(3664.53,3945.47) v1(3834.53,3775.47)
NetC77_2: C77.2 L72.1 Q72.2 Q73.3 Q73.4 U72.18 U72.19 | length 1252
  Top Layer w10: U72.19@3493.74,3784.21 3493.74,3794.69 3524.53,3825.47 3574.53,3825.47 3644.53,3755.47 3643.74,3754.69 ; U72.18@3523.27,3754.69 3643.74,3754.69 ; v1(3704.53,3755.47) 3703.74,3754.69 3643.74,3754.69 ; C77.2@3838.53,3645.47 v1(3904.53,3645.47) 3865,3605.95 L72.1@3865,3525 ; Q72.2@3859.02,3930.71 3904.25,3885.47 v1(3944.53,3885.47) Q73.3@4006.18,3885.47
  Bottom Layer w10: v1(3704.53,3755.47) 3794.53,3755.47 3834.53,3715.47 3904.53,3715.47 ; v1(3904.53,3645.47) 3904.53,3715.47 ; 3944.53,3715 v1(3944.53,3885.47) ; 3945,3715.47 3904.53,3715.47
NetC78_1: C78.1 D73.1 U72.11 | length 613
  Top Layer w10: U72.11@3474.05,3626.73 3474.05,3585.95 3620.12,3439.88 3644.53,3439.88 3644.53,3285.47 3670.59,3259.41 ; 3675,3259.41 3723.31,3211.1 D73.1@3805,3211.1
NetC78_2: C78.2 L72.2 Q74.2 Q75.3 Q75.4 U72.13 U72.14 | length 1276.4
  Top Layer w10: U72.13@3523.27,3656.26 3583.74,3656.26 ; U72.14@3523.27,3675.95 3564.05,3675.95 3583.74,3656.26 ; C78.2@3644.53,3491.47 3644.53,3525 ; v1(3735,3305) 3695,3345 3695,3525 3644.53,3525 ; L72.2@3860,3445.63 3971.1,3334.53 3971.1,3293.98 Q75.3@3975.08,3290 Q75.3@3968.35,3290 ; 3971.61,3335.04 3984.49,3335.04 ; Q74.2@3984.49,3365.24 3984.49,3335.04 ; v1@4039.49,3310 v1(4035,3310) 4009.96,3335.04 3984.49,3335.04 ; 3583.74,3656.26 3644.53,3595.47 3644.53,3525
  Bottom Layer w10: v1(3735,3305) 3815,3305 3875,3245 3970,3245 v1(4035,3310)
NetC82_2: C82.2 U82.1 | length 293.5
  Bottom Layer w10: U82.1@3439.37,2920.91 3479.84,2920.91 3595.47,3036.54 C82.2@3684.94,3036.54
NetC83_2: C83.2 R85.2 | length 60
  Bottom Layer w10: R85.2@4064.16,2901.22 C83.2@4124.16,2901.22
NetC84_1: C84.1 R87.2 | length 70.4
  Bottom Layer w10: C84.1@3675.75,2731.22 R87.2@3746.16,2731.22
NetC84_2: C84.2 U82.2 | length 396.8
  Top Layer w10: v1(3565.94,2771.54) 3545.94,2791.54 3545.94,2907.01 v1(3570.16,2931.22)
  Bottom Layer w10: U82.2@3438.9,2900.75 3519.69,2900.75 3550.16,2931.22 v1(3570.16,2931.22) ; v1(3565.94,2771.54) 3583.84,2771.54 C84.2@3624.16,2731.22
NetC86_1: C86.1 D82.2 D83.2 U82.16 U82.23 | length 1911.1
  Top Layer w10: v1(3120.16,2991.22) 3140.63,2991.22 3310.16,3160.75 v1(3310.16,3191.22)
  Bottom Layer w10: D82.2@2840.16,2955.12 2840.16,3001.22 3030.16,3001.22 3040.16,2991.22 ; D83.2@3000.16,2465.12 3000.16,2731.22 3040.16,2771.22 3040.16,2791.22 ; v1(3120.16,2991.22) 3040.16,2991.22 ; C86.1@3145.75,3241.22 3180.16,3241.22 3270.16,3151.22 ; U82.16@3281.42,2881.06 3190,2881.06 3100.16,2791.22 3040.16,2791.22 ; v1(3310.16,3191.22) 3270.16,3151.22 ; U82.23@3389.69,2949.96 3389.69,3031.69 3270.16,3151.22 ; 3040.16,2791.22 3040.16,2991.22
NetC87_1: C87.1 D82.1 U82.21 | length 752.4
  Top Layer w10: v1(2970.16,2951.22) 2980.16,2951.22 v1(3145.16,3116.22)
  Bottom Layer w10: D82.1@2840.67,2866.81 2970.16,2866.81 v1(2970.16,2951.22) ; v1(3145.16,3116.22) 3220.16,3116.22 3350.32,2986.06 U82.21@3350.32,2949.96